# Altium PCB mcb2.PcbDoc (part 1 of 2) (continued)
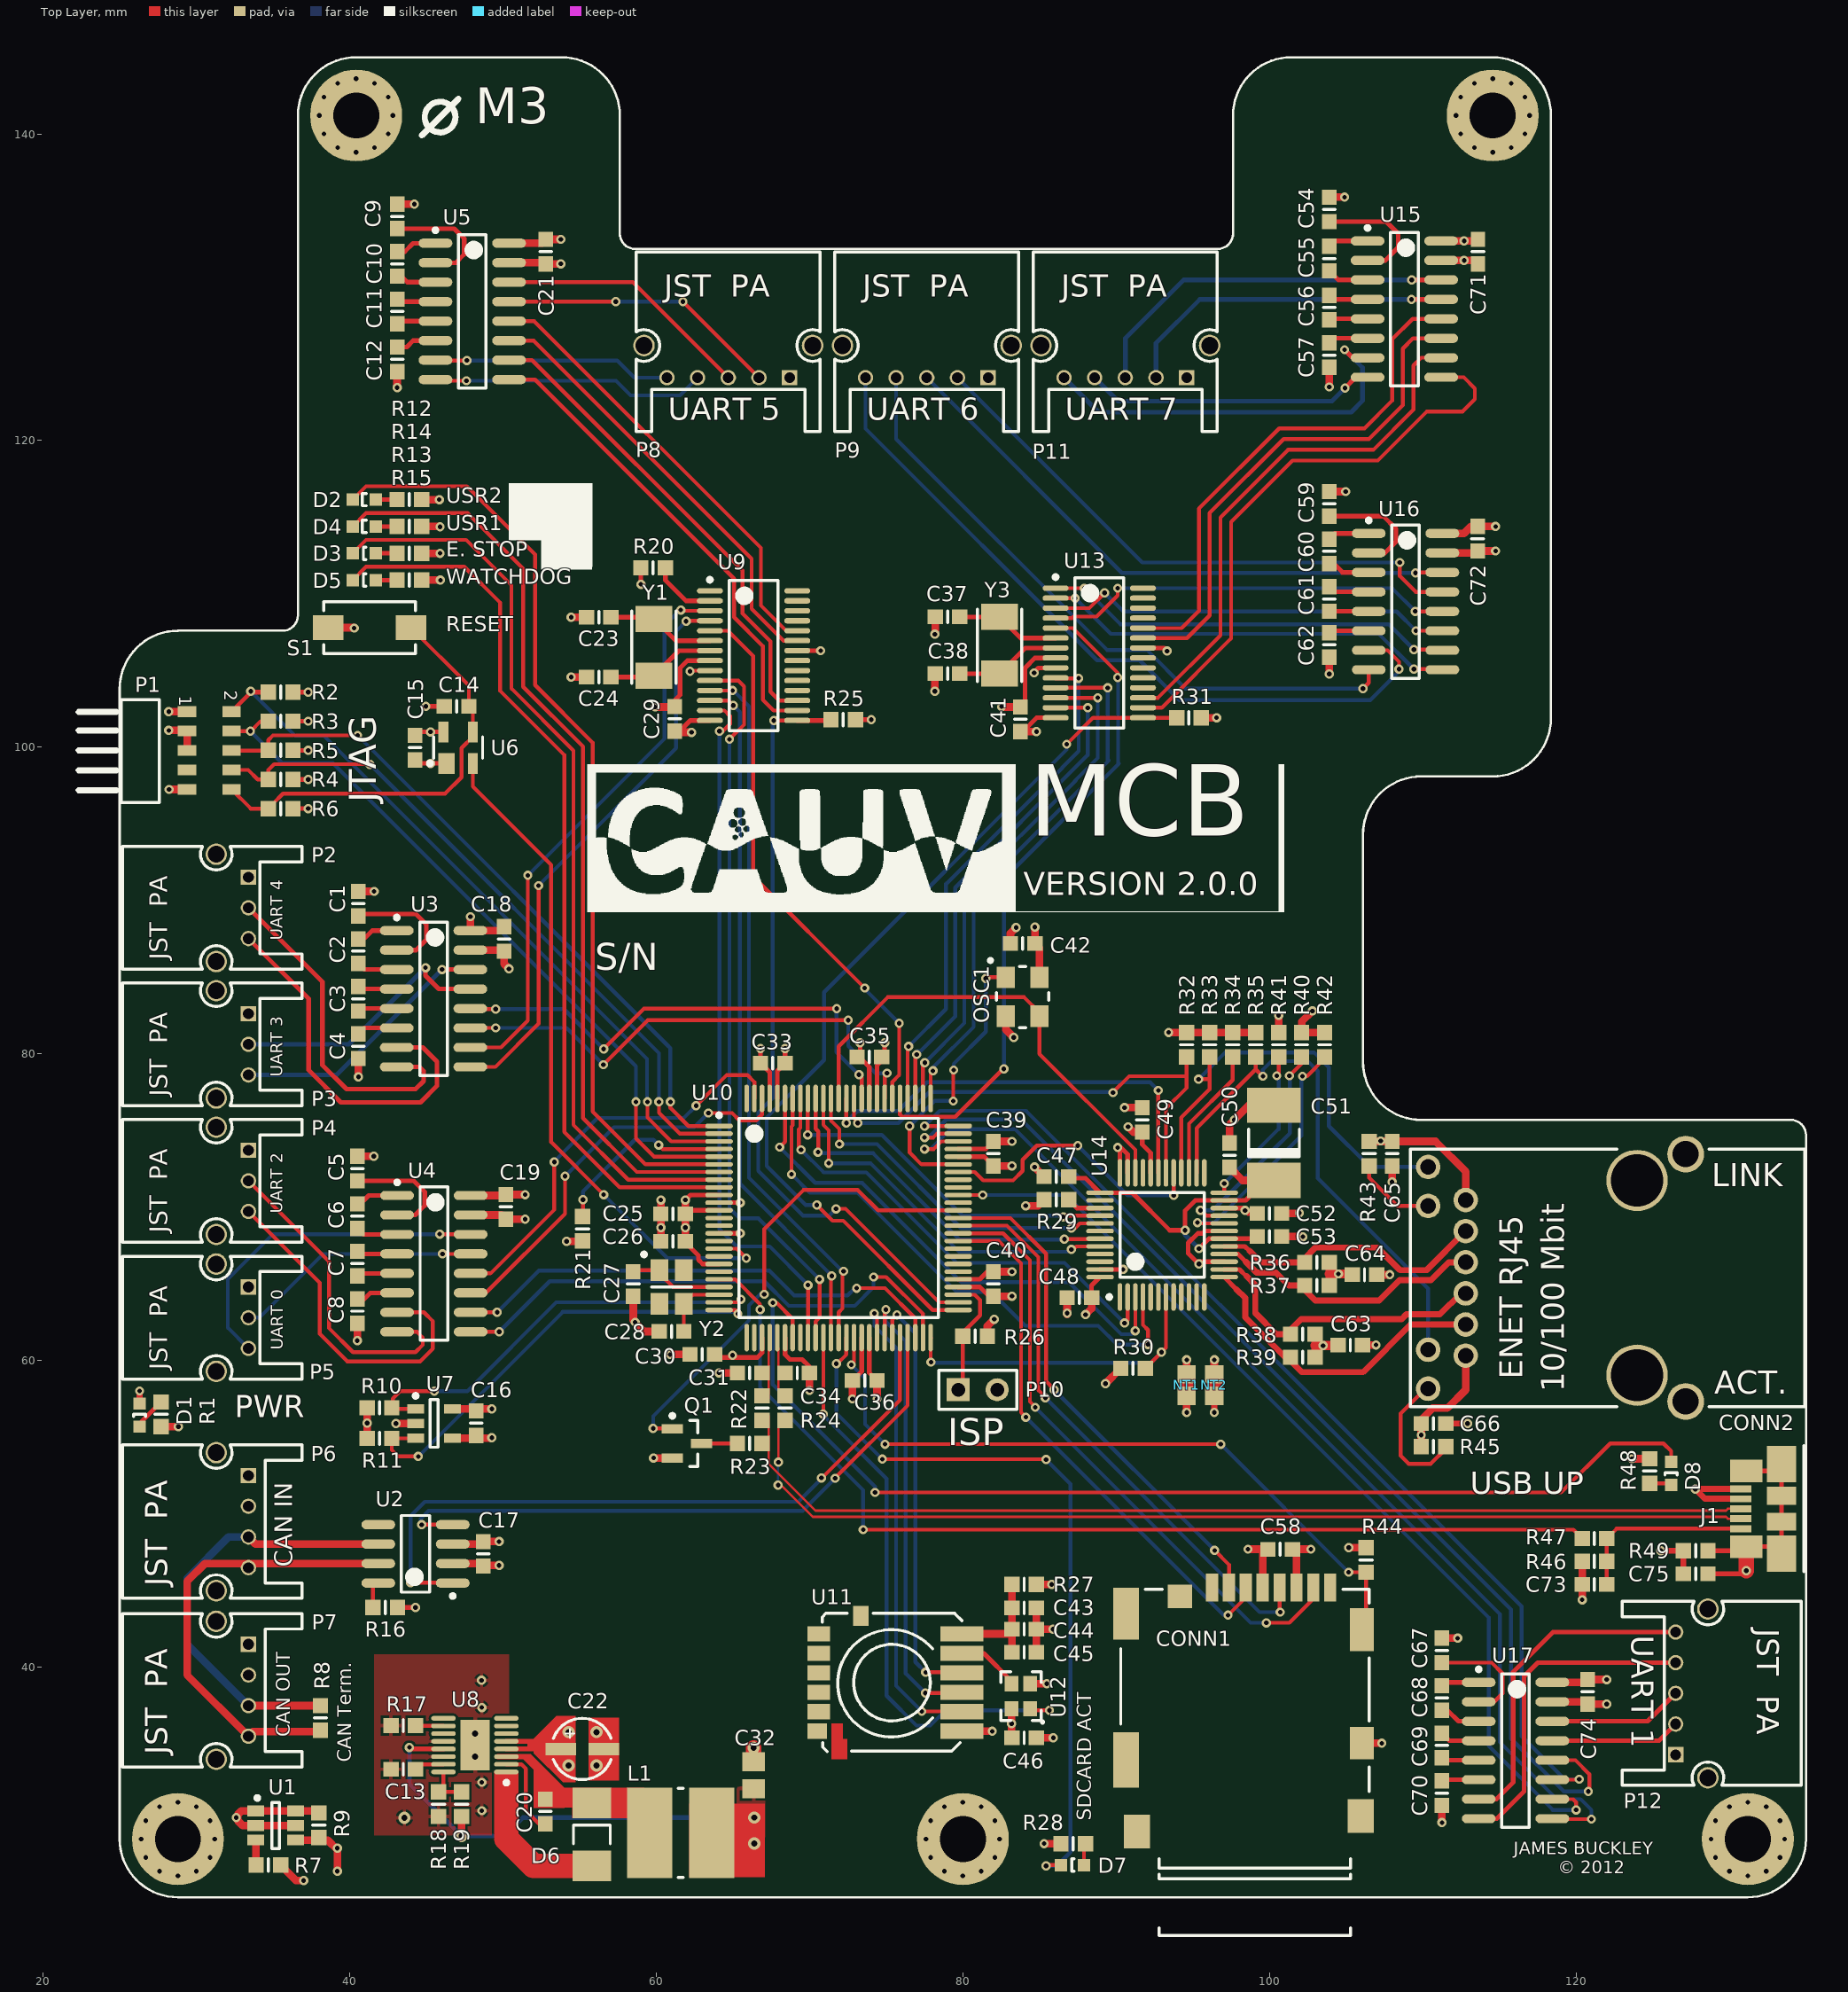
[diagram p0: Top Layer view]
## Components (designator, comment, footprint, x,y, rotation, side; value= is the part's Value field where it differs from the comment)
C1 "Cap" C0603 40.575,89.8 r90 top (schematic designator C2)
C2 "Cap" C0603 40.575,86.7 r270 top (schematic designator C3)
C3 "Cap" C0603 40.575,83.6 r270 top (schematic designator C4)
C4 "Cap" C0603 40.575,80.5 r270 top (schematic designator C5)
C5 "Cap" C0603 40.5,72.525 r90 top (schematic designator C2)
C6 "Cap" C0603 40.5,69.425 r270 top (schematic designator C3)
C7 "Cap" C0603 40.5,66.325 r270 top (schematic designator C4)
C8 "Cap" C0603 40.5,63.225 r270 top (schematic designator C5)
C9 "Cap" C0603 43.1,134.625 r90 top (schematic designator C2)
C10 "Cap" C0603 43.1,131.525 r270 top (schematic designator C3)
C11 "Cap" C0603 43.1,128.425 r270 top (schematic designator C4)
C12 "Cap" C0603 43.1,125.3 r270 top (schematic designator C5)
C13 "Cap" C0603 43.5,33.35 r180 top (schematic designator C6)
C14 "Cap" C0603 46.975,102.675 r180 top (schematic designator C2)
C15 "Cap" C0603 44.275,99.975 r270 top (schematic designator C1)
C16 "Cap" C0603 48.25,55.925 r90 top (schematic designator C1)
C17 "Cap" C0603 48.725,47.4 r270 top (schematic designator C1)
C18 "Cap" C0603 50.075,87.5 r270 top (schematic designator C1)
C19 "Cap" C0603 50.2,70.025 r270 top (schematic designator C1)
C20 "Cap" C0603 52.775,30.6 r270 top (schematic designator C2)
C21 "Cap" C0603 52.8,132.325 r270 top (schematic designator C1)
C22 "Cap Pol1" EEEHC1H2R2R 56.575,34.675 r90 top (schematic designator C1)
C23 "Cap" C0603 56.25,108.475 r180 top (schematic designator C2)
C24 "Cap" C0603 56.25,104.575 r180 top (schematic designator C3)
C25 "Cap" C0603 61.1,69.575 r180 top (schematic designator C22)
C26 "Cap" C0603 61.1,67.775 r180 top (schematic designator C13)
C27 "Cap" C0603 58.5,65 r270 top (schematic designator C18)
C28 "Cap" C0603 61,61.9 r180 top (schematic designator C17)
C29 "Cap" C0603 61.2,101.85 r270 top (schematic designator C1)
C30 "Cap" C0603 63,60.4 r180 top (schematic designator C16)
C31 "Cap" C0603 66.1,59.2 r180 top (schematic designator C26)
C32 "Cap" C0805 66.35,32.975 r90 top (schematic designator C4)
C33 "Cap" C0603 67.6,79.4 r180 top (schematic designator C21)
C34 "Cap" C0603 69.2,59.2 r0 top (schematic designator C25)
C35 "Cap" C0603 73.9,79.8 r0 top (schematic designator C15)
C36 "Cap" C0603 73.6,58.7 r180 top (schematic designator C14)
C37 "Cap" C0603 79,108.5 r180 top (schematic designator C2)
C38 "Cap" C0603 79,104.8 r180 top (schematic designator C3)
C39 "Cap" C0603 82,73.5 r90 top (schematic designator C20)
C40 "Cap" C0603 82,65 r90 top (schematic designator C19)
C41 "Cap" C0603 83.75,101.825 r270 top (schematic designator C1)
C42 "Cap" C0603 83.9,87.2 r0 top (schematic designator C1)
C43 "Cap" C0603 84,43.881 r180 top (schematic designator C31)
C44 "Cap" C0603 84,42.481 r180 top (schematic designator C30)
C45 "Cap" C0603 84,40.981 r180 top (schematic designator C29)
C46 "Cap" C0603 84,35.4 r180 top (schematic designator C32)
C47 "Cap" C0603 86.1,72 r180 top (schematic designator C7)
C48 "Cap" C0603 87.6,64.1 r180 top (schematic designator C11)
C49 "Cap" C0603 91.7,75.7 r90 top (schematic designator C10)
C50 "Cap" C0603 97.4,73.4 r90 top (schematic designator C5)
C51 "Cap Pol1" T491C106K035AT 100.3,74.2 r90 top (schematic designator C4)
C52 "Cap" C0603 100,69.6 r0 top (schematic designator C12)
C53 "Cap" C0603 100,68.1 r0 top (schematic designator C6)
C54 "Cap" C0603 103.9,135.075 r90 top (schematic designator C2)
C55 "Cap" C0603 103.9,131.875 r270 top (schematic designator C3)
C56 "Cap" C0603 103.9,128.675 r270 top (schematic designator C4)
C57 "Cap" C0603 103.9,125.575 r270 top (schematic designator C5)
C58 "Cap" C0603 100.7,47.7 r0 top (schematic designator C28)
C59 "Cap" C0603 103.9,115.875 r90 top (schematic designator C2)
C60 "Cap" C0603 103.9,112.775 r270 top (schematic designator C3)
C61 "Cap" C0603 103.9,109.675 r270 top (schematic designator C4)
C62 "Cap" C0603 103.9,106.675 r270 top (schematic designator C5)
C63 "Cap" C0603 105.275,61.022 r0 top (schematic designator C3)
C64 "Cap" C0603 106.2,65.6 r0 top (schematic designator C2)
C65 "Cap" C0603 108,73.5 r90 top (schematic designator C8)
C66 "Cap" C0603 110.7,55.9 r180 top (schematic designator C9)
C67 "Cap" C0603 111.25,41.1 r90 top (schematic designator C2)
C68 "Cap" C0603 111.25,38 r270 top (schematic designator C3)
C69 "Cap" C0603 111.25,34.9 r270 top (schematic designator C4)
C70 "Cap" C0603 111.25,31.8 r270 top (schematic designator C5)
C71 "Cap" C0603 113.6,132.325 r270 top (schematic designator C1)
C72 "Cap" C0603 113.575,113.6 r270 top (schematic designator C1)
C73 "Cap" C0603 121.2,45.4 r180 top (schematic designator C24)
C74 "Cap" C0603 120.75,38.4 r270 top (schematic designator C1)
C75 "Cap" C0603 127.8,46.1 r180 top (schematic designator C27)
CONN1 "MICROSD_CONNECTOR" 49225-0821 106.8,28.5 r0 top (schematic designator P2)
CONN2 "RJ45 JACK" RJMG163118101NR 112.8,65.4 r90 top (schematic designator CONN1)
D1 "" LGQ971 26.3,55.7 r90 top (schematic designator D10)
D2 "" LWL283-Q1R2-3K8L-1-Z 40.2,116.15 r0 top (schematic designator D6)
D3 "" LGQ971 41.7,112.65 r180 top (schematic designator D4)
D4 "" LWL283-Q1R2-3K8L-1-Z 40.2,114.4 r0 top (schematic designator D5)
D5 "" LGQ971 41.7,110.9 r180 top (schematic designator D3)
D6 "D Schottky" VS-10BQ030TRPBF 55.8,29.1 r90 top (schematic designator D1)
D7 "" LGQ971 87.9,27.1 r180 top (schematic designator D9)
D8 "" LGQ971 126.2,51.9 r90 top (schematic designator D2)
J1 "MICRO_USB_CONN" USB_MICRO_CONNECTOR 133.4,49.5 r180 top
L1 "Inductor" SDR0604-150YL 61.6,29.2 r180 top
NT1 "Net Tie" NetTie 94.6,57.9 r90 top net-tie
NT2 "Net Tie" NetTie 96.4,57.9 r90 top net-tie
OSC1 "OSC 50MHZ TXC - 7C-50.000MBA-T" 7C-50.000MBA-T 83.9,83.7 r270 top
P1 "Header 5X2" FTSH-105-01-L-DH 22,96.6 r0 top
P2 "Header 3H" S03B-PASK-2 33.4,87.525 r90 top (schematic designator P4)
P3 "Header 3H" S03B-PASK-2 33.4,78.625 r90 top (schematic designator P8)
P4 "Header 3H" S03B-PASK-2 33.4,69.725 r90 top (schematic designator P6)
P5 "Header 3H" S03B-PASK-2 33.4,60.8 r90 top (schematic designator P10)
P6 "Header 4" S04B-PASK-2 33.4,46.5 r90 top (schematic designator P2)
P7 "Header 4" S04B-PASK-2 33.4,35.5 r90 top (schematic designator P1)
P8 "Header 5H" S05B-PASK-2 60.7,124.1 r0 top (schematic designator P9)
P9 "Header 5H" S05B-PASK-2 73.65,124.1 r0 top (schematic designator P5)
P10 "Header 2" HDR1X2 79.7,58.1 r0 top (schematic designator P1)
P11 "Header 5H" S05B-PASK-2 86.6,124.1 r0 top (schematic designator P7)
P12 "Header 5H" S05B-PASK-2 126.5,42.3 r270 top (schematic designator P3)
Q1 "MOSFET-P" BSH201,215 62,54.6 r0 top
R1 "Res" R0603 27.7,56.5 r270 top (schematic designator R33)
R2 "Res" R0603 35.5,103.6 r0 top (schematic designator R1)
R3 "Res" R0603 35.5,101.7 r0 top (schematic designator R2)
R4 "Res" R0603 35.5,97.9 r0 top (schematic designator R3)
R5 "Res" R0603 35.5,99.8 r0 top (schematic designator R4)
R6 "Res" R0603 35.5,96 r0 top (schematic designator R5)
R7 "Res" R0603 34.7,27.1 r180 top (schematic designator R1)
R8 "Res2" R0603 38.1,36.7 r90 top (schematic designator R1)
R9 "Res" R0603 38,29.7 r270 top (schematic designator R2)
R10 "Res" R0603 41.95,56.925 r180 top (schematic designator R2)
R11 "Res" R0603 41.95,54.925 r180 top (schematic designator R1)
R12 "Res" R0603 43.9,116.15 r0 top (schematic designator R28)
R13 "Res" R0603 43.9,112.65 r0 top (schematic designator R26)
R14 "Res" R0603 43.9,114.4 r0 top (schematic designator R27)
R15 "Res" R0603 43.9,110.9 r0 top (schematic designator R25)
R16 "Res" R0603 42.325,43.9 r180 top (schematic designator R1)
R17 "Res" R0603 43.5,36.2 r0 top (schematic designator R4)
R18 "Res" R0603 45.8,31.075 r90 top (schematic designator R3)
R19 "Res" R0603 47.3,31.075 r270 top (schematic designator R1)
R20 "Res" R0603 59.8,111.7 r180 top (schematic designator R15)
R21 "Res" R0603 55.2,68.6 r270 top (schematic designator R16)
R22 "Res" R0603 66.9,56.9 r270 top
R23 "Res" R0603 66.1,54.6 r180 top (schematic designator R21)
R24 "Res" R0603 68.4,56.9 r270 top (schematic designator R23)
R25 "Res" R0603 72.2,101.8 r0 top (schematic designator R1)
R26 "Res" R0603 80.8,61.6 r0 top (schematic designator R17)
R27 "Res" R0603 84,45.4 r0 top (schematic designator R34)
R28 "Res" R0603 87.2,28.5 r180 top (schematic designator R31)
R29 "Res" R0603 86.1,70.5 r180 top (schematic designator R2)
R30 "Res" R0603 91.1,59.5 r180 top (schematic designator R35)
R31 "Res" R0603 94.75,101.925 r0 top (schematic designator R1)
R32 "Res" R0603 94.6,80.6 r90 top (schematic designator R1)
R33 "Res" R0603 96.1,80.6 r90 top (schematic designator R11)
R34 "Res" R0603 97.6,80.6 r90 top (schematic designator R12)
R35 "Res" R0603 99.1,80.6 r90 top (schematic designator R13)
R36 "Res" R0603 103.1,66.4 r0 top (schematic designator R7)
R37 "Res" R0603 103.1,64.9 r0 top (schematic designator R8)
R38 "Res" R0603 102.175,61.722 r0 top (schematic designator R9)
R39 "Res" R0603 102.175,60.222 r0 top (schematic designator R10)
R40 "Res" R0603 102.1,80.6 r90 top (schematic designator R4)
R41 "Res" R0603 100.6,80.6 r270 top (schematic designator R5)
R42 "Res" R0603 103.6,80.6 r90 top (schematic designator R3)
R43 "Res" R0603 106.5,73.5 r90 top (schematic designator R6)
R44 "Res" R0603 106.3,47 r90 top (schematic designator R32)
R45 "Res" R0603 110.7,54.4 r180 top (schematic designator R14)
R46 "Res" R0603 121.2,46.9 r0 top (schematic designator R18)
R47 "Res" R0603 121.2,48.4 r0 top (schematic designator R20)
R48 "Res" R0603 124.8,52.8 r90 top (schematic designator R19)
R49 "Res" R0603 127.8,47.6 r0 top (schematic designator R24)
S1 "SW-PB" DTSM-32S-B 41.3,107.8 r0 top
U1 "MOSFET P FDC608PZ" FDC608PZ 35.182,29.68 r0 top
U2 "SN65HVD230DR" SN65HVD230DR 44.3,47.4 r180 top (schematic designator U1)
U3 "TRSF3232EID" SOIC127P600X175-16N 45.475,83.6 r0 top (schematic designator U1)
U4 "TRSF3232EID" SOIC127P600X175-16N 45.5,66.325 r0 top (schematic designator U1)
U5 "TRSF3232EID" SOIC127P600X175-16N 48,128.425 r0 top (schematic designator U1)
U6 "STM811" STM811 47.075,99.975 r90 top (schematic designator U1)
U7 "24AA08T-I/OT" 24AA08T-I/OT 45.507,55.902 r0 top (schematic designator U1)
U8 "LT3509" LT3509 48.175,34.925 r180 top (schematic designator U1)
U9 "SC16IS762" SC16IS762IPW 66.35,105.975 r0 top (schematic designator U1)
U10 "LPC1768" LPC1768 71.9,69.3 r0 top (schematic designator U1)
U11 "MS5535" MS5535 70.6,37.1 r0 top (schematic designator U3)
U12 "LF SPXO009686" "LF SPXO009686" 84.4,37.3 r90 top (schematic designator U4)
U13 "SC16IS762" SC16IS762IPW 88.9,106.15 r0 top (schematic designator U1)
U14 "DP83848I" DP83848IVV 93,68.2 r90 top (schematic designator U2)
U15 "TRSF3232EID" SOIC127P600X175-16N 108.8,128.575 r0 top (schematic designator U1)
U16 "TRSF3232EID" SOIC127P600X175-16N 108.875,109.5 r0 top (schematic designator U1)
U17 "TRSF3232EID" SOIC127P600X175-16N 116.05,34.575 r0 top (schematic designator U1)
Y1 "XTAL" 7A-18.432MAAJ-T 59.85,108.375 r270 top
Y2 "XTAL" C3E-24.000-12-3030-X 60.2,65.9 r270 top (schematic designator Y1)
Y3 "XTAL" 7A-18.432MAAJ-T 82.4,108.5 r270 top (schematic designator Y1)

## Footprints (in the part's own frame and the unit in brackets; to place one, negate y for a bottom-side part, rotate by r counter-clockwise, add the part's x,y. Pads: shape width x height; smd on the part's side, far side on the other; paste and mask are expansions set on the pad)
7A-18.432MAAJ-T [mm] "TXC - 7A-18.432MAAJ-T - XTAL, 18.432MHZ, 18PF, SMD, 5.0X3.2"
  rect 1.7x2.4 smd: 1(0,0) 2(3.7,0)
  silkscreen extent -0.5,-1.45 4.2,1.45, body extent -0.65,-1.6 4.35,1.6, height 1.2
7C-50.000MBA-T [mm] "TXC - 7C-50.000MBA-T - OSC, 50.000MHZ, 3.3V, SMD, 5.0X3.2"
  rect 1.4x1.2 smd: 1(-1.3,-1.1) 2(1.24,-1.1) 3(1.24,1.1) 4(-1.3,1.1)
  silkscreen extent -2.5,-2.2 2,1.7, body extent -2.5,-1.6 2.5,1.6, height 1.2
24AA08T-I/OT [mm] "MICROCHIP - 24AA08T-I/OT - EEPROM SERIAL 8KB, SMD, SOT-23-5"
  rect 1.1x0.6 smd mask+0.175: 1(-1.2,0.95) 2(-1.2,0) 3(-1.2,-0.95)
  rect 1.1x0.6 smd: 4(1.2,-0.95) 5(1.2,0.95)
  silkscreen extent -1.32,-1.55 0.25,1.92, body extent -0.87,-1.55 0.87,1.55, height 1.45
49225-0821 [mm] "MICRO-SD slot"
  rect 0.8x1.8 smd mask+0.15: 1(-10.54,16.7) 2(-9.44,16.7) 3(-8.34,16.7) 4(-7.24,16.7) 5(-6.14,16.7) 6(-5.04,16.7) 7(-3.94,16.7) 8(-2.84,16.7)
  rect 1.55x2.8 smd: 9(-0.775,13.95)
  rect 1.55x2.1 smd: 10(-0.775,6.55)
  rect 1.7x3.6 smd: ""(-16.15,5.45)
  rect 1.7x3.4 smd: ""(-16.15,15)
  rect 1.7x2.2 smd: ""(-15.45,0.8) ""(-0.85,1.8)
  rect 1.6x1.55 smd: ""(-12.64,16.125)
  silkscreen extent -16.5,-6 -0.3,16.6, body extent -15.8,0 -0.8,16.3, height 1.95
BSH201,215 [mm]
  rect 1.4x0.6 smd: 1(0.95,0) 2(-0.95,0.95) 3(-0.95,-0.95)
  silkscreen extent -1.07,-1.5 0.7,1.92, body extent -0.7,-1.5 0.7,1.5, height 1.1
C3E-24.000-12-3030-X [mm]
  rect 1.4x1.15 smd: 1(0,0) 2(2.2,1.6) 3(2.2,0) 4(0,1.6)
  silkscreen extent -1.15,-1.12 1.1,2.1, body extent -0.6,-0.5 2.8,2.1, height 0.75
C0603 [mm] "Chip Capacitor, 2-Leads, Body 1.6x0.8mm, IPC Medium Density"
  rect 1x0.95 smd: 1(-0.8,0) 2(0.8,0)
  silkscreen extent 0,-0.38 0,0.38, body extent -0.88,-0.48 0.87,0.48, height 0.8
C0805 [mm] "KEMET - C0805C104K5RACTU - CAPACITOR, 0805, 100NF, 50V, X7R"
  rect 1.25x1.5 smd: 1(-0.889,0) 2(0.861,0)
  body extent -1.12,-0.72 1.09,0.72, height 1
DP83848IVV [mm]
  oval 1.8x0.3 smd: 1(-4.05,2.75) 2(-4.05,2.25) 3(-4.05,1.75) 4(-4.05,1.25) 5(-4.05,0.75) 6(-4.05,0.25) 7(-4.05,-0.25) 8(-4.05,-0.75) 9(-4.05,-1.25) 10(-4.05,-1.75) 11(-4.05,-2.25) 12(-4.05,-2.75) 25(4.05,-2.75) 26(4.05,-2.25) 27(4.05,-1.75) 28(4.05,-1.25) 29(4.05,-0.75) 30(4.05,-0.25) 31(4.05,0.25) 32(4.05,0.75) 33(4.05,1.25) 34(4.05,1.75) 35(4.05,2.25) 36(4.05,2.75)
  oval 0.3x1.8 smd: 13(-2.75,-4.05) 14(-2.25,-4.05) 15(-1.75,-4.05) 16(-1.25,-4.05) 17(-0.75,-4.05) 18(-0.25,-4.05) 19(0.25,-4.05) 20(0.75,-4.05) 21(1.25,-4.05) 22(1.75,-4.05) 23(2.25,-4.05) 24(2.75,-4.05) 37(2.75,4.05) 38(2.25,4.05) 39(1.75,4.05) 40(1.25,4.05) 41(0.75,4.05) 42(0.25,4.05) 43(-0.25,4.05) 44(-0.75,4.05) 45(-1.25,4.05) 46(-1.75,4.05) 47(-2.25,4.05) 48(-2.75,4.05)
  silkscreen extent -4.17,-2.75 2.75,3.57, body extent -3.5,-3.5 3.5,3.5, height 1.6
DTSM-32S-B [mm] "MULTICOMP - DTSM-32S-B - TACTILE SWITCH, SPNO, SMD, 50MA"
  rect 2x1.6 smd: 1(-2.7,0) 2(2.7,0)
  silkscreen extent -3,-1.7 3,1.7, body extent -3.67,-1.75 3.67,1.75, height 2.08
EEEHC1H2R2R [mm] "PANASONIC - EEEHC1H2R2R - CAPACITOR, ELECTROLYTIC, 50V, 2.2UF"
  rect 0.8x2 smd: 1(0,2.8) 2(0,0)
  silkscreen extent -2,-0.48 2,3.28, body extent -2.15,-0.9 2.15,3.7, height 5.9
FDC608PZ [mm] "FAIRCHILD SEMICONDUCTOR - FDC608PZ - MOSFET, P, SMD, SSOT-6"
  rect 1.1x0.7 smd: 1(-1.3,0.95) 2(-1.3,0) 3(-1.3,-0.95) 4(1.3,-0.95) 5(1.3,0) 6(1.3,0.95)
  silkscreen extent -1.32,-1.5 0.25,1.92, body extent -0.85,-1.5 0.85,1.5, height 1.1
FTSH-105-01-L-DH [mm] "HEADER, 1.27MM, R/A, SMD, 10WAY"
  rect 1.2x0.7 smd: 1(7.4,5.725) 2(10.3,5.725) 3(7.4,4.456) 4(10.3,4.456) 5(7.4,3.188) 6(10.3,3.188) 7(7.4,1.919) 8(10.3,1.919) 9(7.4,0.65) 10(10.3,0.65)
  silkscreen extent 0.2,-0.2 5.6,6.5, body extent 0,0 10.77,6.35, height 3.43
HDR1X2 [mm] "Connector; Header; 2 Position"
  rect 1.5x1.5 hole 0.9: 1(0,0)
  round 1.5 hole 0.9: 2(2.54,0)
  silkscreen extent -1.27,-1.27 3.81,1.27
"LF SPXO009686" [mm]
  rect 1x0.9 smd mask+0.164: 1(0,0) 2(1.625,0) 3(1.625,1.225) 4(0,1.225)
  silkscreen extent -0.94,-0.87 2.4,1.92, body extent -0.45,-0.4 2.07,1.63, height 0.95
LGQ971 [mm] "OSRAM - LGQ971 - LED, SMD, GREEN"
  rect 0.8x0.8 smd: 1(0,0) 2(1.5,0)
  silkscreen extent 0.65,-0.4 0.8,0.4, body extent 0.02,-0.4 1.42,0.4, height 0.9
LPC1768 [mm] "TSQFP, 100-Leads, Body 16.8x16.8mm (max), Pitch 0.50mm, IPC Medium Density"
  oval 1.8x0.3 smd: 1(-7.8,6) 2(-7.8,5.5) 3(-7.8,5) 4(-7.8,4.5) 5(-7.8,4) 6(-7.8,3.5) 7(-7.8,3) 8(-7.8,2.5) 9(-7.8,2) 10(-7.8,1.5) 11(-7.8,1) 12(-7.8,0.5) 13(-7.8,0) 14(-7.8,-0.5) 15(-7.8,-1) 16(-7.8,-1.5) 17(-7.8,-2) 18(-7.8,-2.5) 19(-7.8,-3) 20(-7.8,-3.5) 21(-7.8,-4) 22(-7.8,-4.5) 23(-7.8,-5) 24(-7.8,-5.5) 25(-7.8,-6) 51(7.8,-6) 52(7.8,-5.5) 53(7.8,-5) 54(7.8,-4.5) 55(7.8,-4) 56(7.8,-3.5) 57(7.8,-3) 58(7.8,-2.5) 59(7.8,-2) 60(7.8,-1.5) 61(7.8,-1) 62(7.8,-0.5) 63(7.8,0) 64(7.8,0.5) 65(7.8,1) 66(7.8,1.5) 67(7.8,2) 68(7.8,2.5) 69(7.8,3) 70(7.8,3.5) 71(7.8,4) 72(7.8,4.5) 73(7.8,5) 74(7.8,5.5) 75(7.8,6)
  oval 0.3x1.8 smd: 26(-6,-7.8) 27(-5.5,-7.8) 28(-5,-7.8) 29(-4.5,-7.8) 30(-4,-7.8) 31(-3.5,-7.8) 32(-3,-7.8) 33(-2.5,-7.8) 34(-2,-7.8) 35(-1.5,-7.8) 36(-1,-7.8) 37(-0.5,-7.8) 38(0,-7.8) 39(0.5,-7.8) 40(1,-7.8) 41(1.5,-7.8) 42(2,-7.8) 43(2.5,-7.8) 44(3,-7.8) 45(3.5,-7.8) 46(4,-7.8) 47(4.5,-7.8) 48(5,-7.8) 49(5.5,-7.8) 50(6,-7.8) 76(6,7.8) 77(5.5,7.8) 78(5,7.8) 79(4.5,7.8) 80(4,7.8) 81(3.5,7.8) 82(3,7.8) 83(2.5,7.8) 84(2,7.8) 85(1.5,7.8) 86(1,7.8) 87(0.5,7.8) 88(0,7.8) 89(-0.5,7.8) 90(-1,7.8) 91(-1.5,7.8) 92(-2,7.8) 93(-2.5,7.8) 94(-3,7.8) 95(-3.5,7.8) 96(-4,7.8) 97(-4.5,7.8) 98(-5,7.8) 99(-5.5,7.8) 100(-6,7.8)
  silkscreen extent -7.92,-6.5 6.5,6.82, body extent -7,-7 7,7, height 1.6
LT3509 [mm] "LT3509"
  oval 1.6x0.3 smd: 1(-2.05,1.75) 2(-2.05,1.25) 3(-2.05,0.75) 4(-2.05,0.25) 5(-2.05,-0.25) 6(-2.05,-0.75) 7(-2.05,-1.25) 8(-2.05,-1.75) 9(2.05,-1.75) 10(2.05,-1.25) 11(2.05,-0.75) 12(2.05,-0.25) 13(2.05,0.25) 14(2.05,0.75) 15(2.05,1.25) 16(2.05,1.75)
  rect 1.9x3.3 smd: 17(0,0)
  silkscreen extent -2.18,2.33 -1.93,2.57, body extent -1.55,-2.07 1.55,2.07, height 1.1
LWL283-Q1R2-3K8L-1-Z [mm] "OSRAM - LWL283-Q1R2-3K8L-1-Z - LED, SMD, WHITE"
  rect 0.8x0.8 smd: 1(1.5,0) 2(0,0)
  silkscreen extent 0.63,-0.4 0.87,0.4, body extent -0.1,-0.4 1.6,0.4, height 0.65
MS5535 [mm] "Pressure Sensor"
  rect 2.8x1 smd mask+0.135: 1(9.35,-1.27) 2(9.35,0) 3(9.35,1.27) 4(9.35,2.54) 5(9.35,3.81) 6(9.35,5.08)
  rect 1.3x1 smd: ""(-0.1,-1.27)
  rect 1.5x1 smd mask+0.135: ""(0,0) ""(0,1.27) ""(0,2.54) ""(0,3.81) ""(0,5.08)
  rect 1x1.3 smd: ""(2.75,6.26)
  Top Layer region: 1.85,-3.075 1.85,-1.775 1.55,-1.775 1.55,-0.775 0.85,-0.775 0.85,-3.075
  silkscreen extent 0.23,-2.6 9.35,6.42, body extent 0.25,-2.58 9.25,6.42, height 4.48
NetTie [mm] "Net Tie"
  rect 1.2x1.2 smd: 1(-0.2,0) 2(1.2,0)
  Top Layer lines w1: -0.2,0 1.2,0
R0603 [mm]
  rect 1x1 smd: 1(-0.8,0) 2(0.8,0)
  silkscreen extent 0,-0.4 0,0.4, body extent -0.85,-0.48 0.85,0.47, height 0.45
RJMG163118101NR [mm] "AMPHENOL - RJMG163118101NR - JACK, 10/100 BASE T, ROHS5"
  round 1.6 hole 1: 1(5.075,0) 2(3.045,0) 3(1.015,0) 4(-1.015,0) 5(-3.045,0) 6(-5.075,0) 7(7.23,2.45) 8(4.69,2.45) 9(-4.69,2.45) 10(-7.23,2.45)
  round 4 hole 3.4: 11(6.35,-11.18) 12(-6.35,-11.18)
  round 2.4 hole 1.7: 13(8.065,-14.35) 14(-8.065,-14.35)
  silkscreen extent -8.4,-22.13 8.4,3.6, body extent -8.4,-22.15 8.4,3.6, height 13.61
S03B-PASK-2 [mm] "JST (JAPAN SOLDERLESS TERMINALS) - S03B-PASK-2 - HEADER, PA, 3WAY, SIDE, 2MM"
  rect 1x1 hole 0.7: 1(4,0)
  round 1 hole 0.7: 2(2,0) 3(0,0)
  round 1.4 hole 1.1: ""(-1.5,2.1) ""(5.5,2.1)
  silkscreen extent -2,-3.5 6,8.2, body extent -2,-3.5 6,8.2, height 6.5
S04B-PASK-2 [mm] "JST (JAPAN SOLDERLESS TERMINALS) - S04B-PASK-2 - HEADER, PA, 4WAY, SIDE, 2MM"
  rect 1x1 hole 0.7: 1(6,0)
  round 1 hole 0.7: 2(4,0) 3(2,0) 4(0,0)
  round 1.4 hole 1.1: ""(-1.5,2.1) ""(7.5,2.1)
  silkscreen extent -2,-3.5 8,8.2, body extent -2,-3.5 8,8.2, height 6.5
S05B-PASK-2 [mm] "JST (JAPAN SOLDERLESS TERMINALS) - S05B-PASK-2 - HEADER, PA, 5WAY, SIDE, 2MM"